# KiCad board Video Timer.kicad_pcb
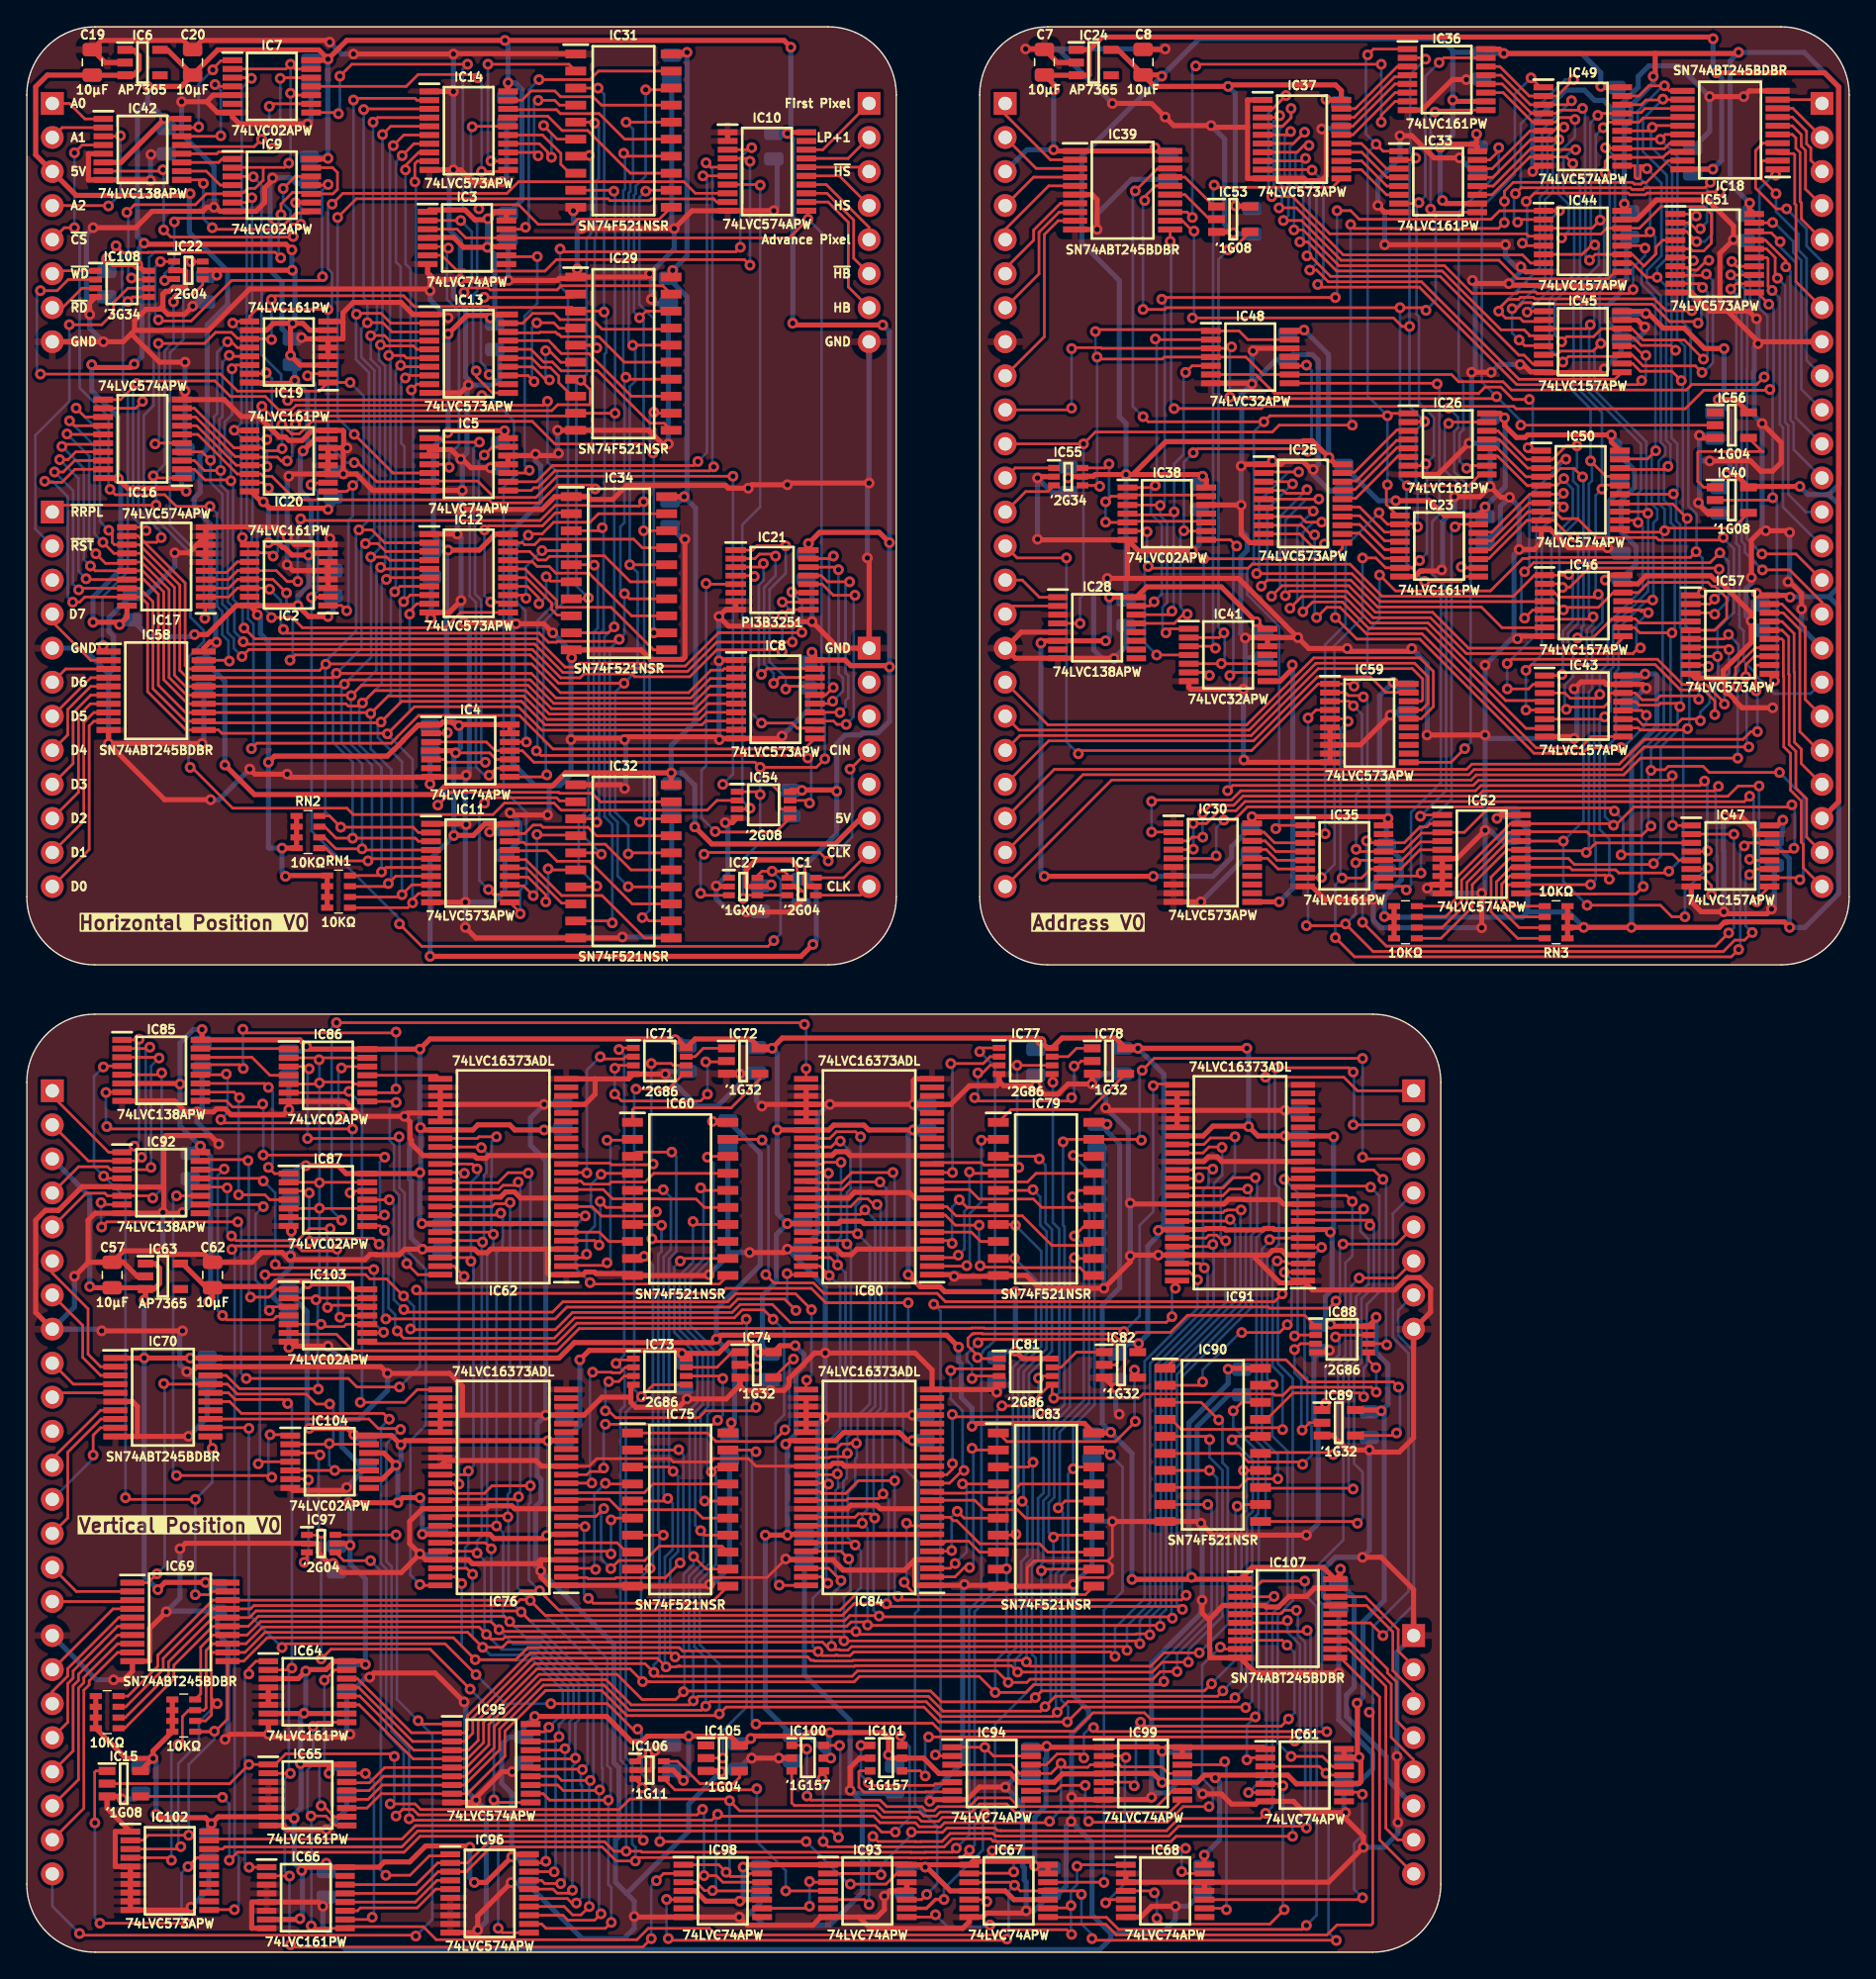
[diagram p0: board, top side]
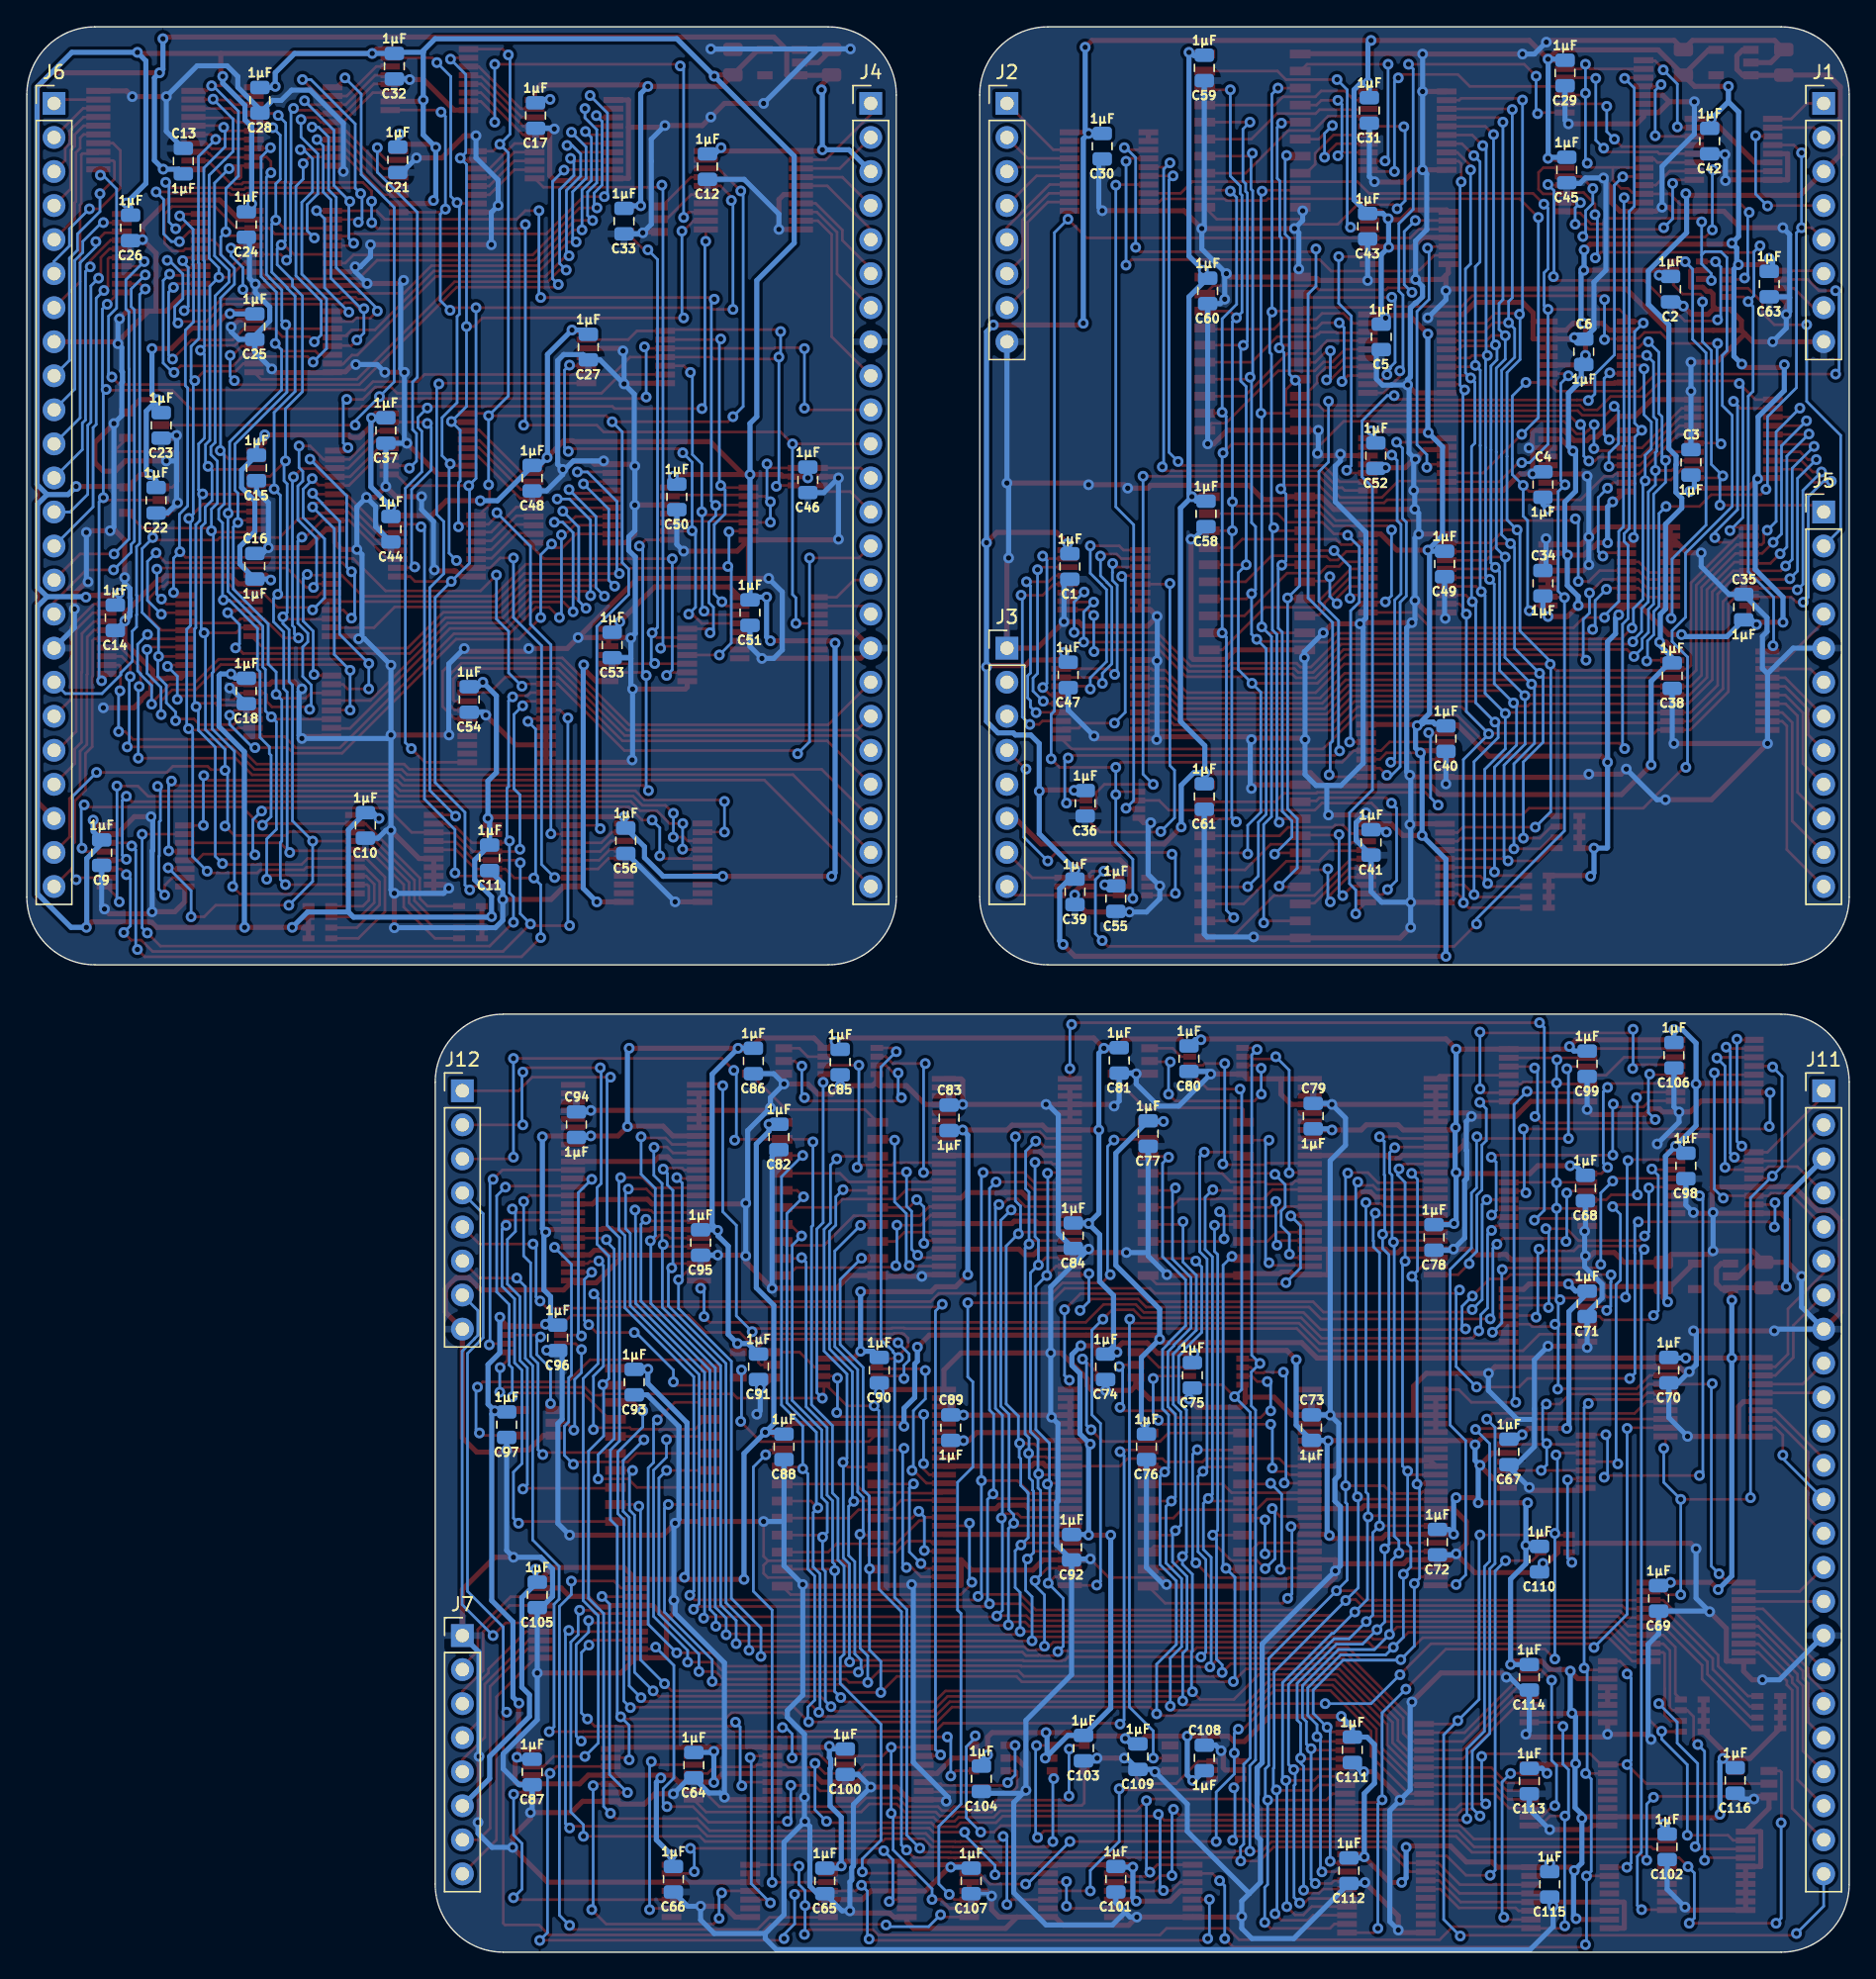
[diagram p1: board, bottom side, seen from below]

Outline 136.02 x 143.64 mm; copper layers: Top, Bottom. Coordinates in mm from the lower left corner of the outline.
Outline path: 0,138.56 arc(1.49,142.15) 5.08,143.64 59.82,143.64 arc(63.41,142.15) 64.9,138.56 64.9,78.74 arc(63.41,75.15) 59.82,73.66 5.08,73.66 arc(1.49,75.15) 0,78.74 0,138.56 ; 0,64.9 arc(1.49,68.49) 5.08,69.98 100.46,69.98 arc(104.05,68.49) 105.54,64.9 105.54,5.08 arc(104.05,1.49) 100.46,0 5.08,0 arc(1.49,1.49) 0,5.08 0,64.9 ; 71.12,138.56 arc(72.61,142.15) 76.2,143.64 130.94,143.64 arc(134.53,142.15) 136.02,138.56 136.02,78.74 arc(134.53,75.15) 130.94,73.66 76.2,73.66 arc(72.61,75.15) 71.12,78.74 71.12,138.56
Stack: Top 0.035mm / dielectric 1.51mm FR4 er 4.5 / Bottom 0.035mm

## Placement (name value [footprint] x y rotation side)
C1  1μF  [C_0805]  58.17 103.39 0 bottom
C2  1μF  [C_0805]  13.34 124.08 0 bottom
C3  1μF  [C_0805]  11.81 111.12 180 bottom
C4  1μF  [C_0805]  22.86 109.47 180 bottom
C5  1μF  [C_0805]  34.92 120.52 0 bottom
C6  1μF  [C_0805]  19.81 119.38 180 bottom
C7  10µF  [C_0805]  75.95 140.98 0 top
C8  10µF  [C_0805]  83.32 140.98 0 top
C9  1μF  [C_0805]  130.43 82.04 0 bottom
C10  1μF  [C_0805]  110.74 84.07 0 bottom
C11  1μF  [C_0805]  101.47 81.66 0 bottom
C12  1μF  [C_0805]  85.22 133.22 0 bottom
C13  1μF  [C_0805]  124.33 133.6 180 bottom
C14  1μF  [C_0805]  129.41 99.57 0 bottom
C15  1μF  [C_0805]  118.87 110.74 0 bottom
C16  1μF  [C_0805]  119 103.38 180 bottom
C17  1μF  [C_0805]  98.04 137.03 0 bottom
C18  1μF  [C_0805]  119.63 94.11 0 bottom
C19  10µF  [C_0805]  4.88 140.97 0 top
C20  10µF  [C_0805]  12.38 140.97 0 top
C21  1μF  [C_0805]  108.33 133.73 0 bottom
C22  1μF  [C_0805]  126.36 108.33 0 bottom
C23  1μF  [C_0805]  125.98 113.92 0 bottom
C24  1μF  [C_0805]  119.63 128.9 0 bottom
C25  1μF  [C_0805]  119 121.28 0 bottom
C26  1μF  [C_0805]  128.27 128.65 0 bottom
C27  1μF  [C_0805]  94.11 119.76 0 bottom
C28  1μF  [C_0805]  118.62 138.18 0 bottom
C29  1μF  [C_0805]  21.21 140.21 0 bottom
C30  1μF  [C_0805]  55.75 134.75 0 bottom
C31  1μF  [C_0805]  35.81 137.41 0 bottom
C32  1μF  [C_0805]  108.59 140.72 0 bottom
C33  1μF  [C_0805]  91.44 129.16 0 bottom
C34  1μF  [C_0805]  22.86 102.11 180 bottom
C35  1μF  [C_0805]  7.87 100.33 180 bottom
C36  1μF  [C_0805]  57.02 85.72 0 bottom
C37  1μF  [C_0805]  109.22 113.54 0 bottom
C38  1μF  [C_0805]  13.21 95.25 0 bottom
C39  1μF  [C_0805]  57.79 79.12 0 bottom
C40  1μF  [C_0805]  30.1 90.55 0 bottom
C41  1μF  [C_0805]  35.69 82.8 0 bottom
C42  1μF  [C_0805]  10.41 135.13 0 bottom
C43  1μF  [C_0805]  35.94 128.78 0 bottom
C44  1μF  [C_0805]  108.84 106.17 0 bottom
C45  1μF  [C_0805]  21.08 132.97 0 bottom
C46  1μF  [C_0805]  77.72 109.85 0 bottom
C47  1μF  [C_0805]  58.29 95.3 0 bottom
C48  1μF  [C_0805]  98.3 109.98 0 bottom
C49  1μF  [C_0805]  30.2 103.58 0 bottom
C50  1μF  [C_0805]  87.5 108.58 0 bottom
C51  1μF  [C_0805]  82.04 99.95 0 bottom
C52  1μF  [C_0805]  35.33 111.66 0 bottom
C53  1μF  [C_0805]  92.33 97.54 0 bottom
C54  1μF  [C_0805]  103 93.47 0 bottom
C55  1μF  [C_0805]  54.74 78.61 0 bottom
C56  1μF  [C_0805]  91.31 82.93 0 bottom
C57  10µF  [C_0805]  6.37 50.5 0 top
C58  1μF  [C_0805]  48.01 107.31 0 bottom
C59  1μF  [C_0805]  48.13 140.59 0 bottom
C60  1μF  [C_0805]  47.88 123.95 0 bottom
C61  1μF  [C_0805]  48.13 86.23 0 bottom
C62  10µF  [C_0805]  13.87 50.5 0 top
C63  1μF  [C_0805]  5.97 124.46 0 bottom
C64  1μF  [C_0805]  86.23 13.97 0 bottom
C65  1μF  [C_0805]  76.45 5.33 0 bottom
C66  1μF  [C_0805]  87.76 5.46 0 bottom
C67  1μF  [C_0805]  25.4 37.34 0 bottom
C68  1μF  [C_0805]  19.69 57.02 0 bottom
C69  1μF  [C_0805]  14.22 26.42 0 bottom
C70  1μF  [C_0805]  13.46 43.43 0 bottom
C71  1μF  [C_0805]  19.56 48.39 0 bottom
C72  1μF  [C_0805]  30.73 30.61 0 bottom
C73  1μF  [C_0805]  40.13 39.12 180 bottom
C74  1μF  [C_0805]  55.5 43.69 0 bottom
C75  1μF  [C_0805]  49.02 43.05 0 bottom
C76  1μF  [C_0805]  52.45 37.72 0 bottom
C77  1μF  [C_0805]  52.32 61.09 0 bottom
C78  1μF  [C_0805]  30.99 53.34 0 bottom
C79  1μF  [C_0805]  40.01 62.36 180 bottom
C80  1μF  [C_0805]  49.28 66.67 0 bottom
C81  1μF  [C_0805]  54.48 66.55 0 bottom
C82  1μF  [C_0805]  79.88 60.83 0 bottom
C83  1μF  [C_0805]  67.18 62.23 180 bottom
C84  1μF  [C_0805]  57.91 53.47 0 bottom
C85  1μF  [C_0805]  75.31 66.42 0 bottom
C86  1μF  [C_0805]  81.79 66.5 0 bottom
C87  1μF  [C_0805]  98.3 13.46 0 bottom
C88  1μF  [C_0805]  79.5 37.72 0 bottom
C89  1μF  [C_0805]  67.06 39.12 180 bottom
C90  1μF  [C_0805]  72.39 43.43 0 bottom
C91  1μF  [C_0805]  81.41 43.69 0 bottom
C92  1μF  [C_0805]  58.04 30.23 0 bottom
C93  1μF  [C_0805]  90.68 42.54 0 bottom
C94  1μF  [C_0805]  95 61.72 180 bottom
C95  1μF  [C_0805]  85.72 52.96 0 bottom
C96  1μF  [C_0805]  96.39 45.85 0 bottom
C97  1μF  [C_0805]  100.2 39.37 0 bottom
C98  1μF  [C_0805]  12.19 58.67 0 bottom
C99  1μF  [C_0805]  19.56 66.29 0 bottom
C100  1μF  [C_0805]  74.93 14.22 0 bottom
C101  1μF  [C_0805]  54.74 5.46 0 bottom
C102  1μF  [C_0805]  13.59 7.87 0 bottom
C103  1μF  [C_0805]  57.15 15.24 0 bottom
C104  1μF  [C_0805]  64.77 12.95 0 bottom
C105  1μF  [C_0805]  97.92 26.67 0 bottom
C106  1μF  [C_0805]  13.08 66.93 0 bottom
C107  1μF  [C_0805]  65.53 5.33 0 bottom
C108  1μF  [C_0805]  48.13 14.48 180 bottom
C109  1μF  [C_0805]  53.09 14.6 0 bottom
C110  1μF  [C_0805]  23.11 29.34 0 bottom
C111  1μF  [C_0805]  37.08 15.11 0 bottom
C112  1μF  [C_0805]  37.34 6.1 0 bottom
C113  1μF  [C_0805]  23.88 12.78 0 bottom
C114  1μF  [C_0805]  23.88 20.52 0 bottom
C115  1μF  [C_0805]  22.35 5.08 0 bottom
C116  1μF  [C_0805]  8.51 12.83 0 bottom
IC1  74LVC2G04GW-Q100H  [SOP65P210X110-6N]  57.83 79.5 0 top
IC2  74LVC161PW,112  [SOP65P640X110-16N]  19.56 102.74 180 top
IC3  74LVC74APW,118  [SOP65P640X110-14N]  32.86 127.89 0 top
IC4  74LVC74APW,118  [SOP65P640X110-14N]  33.11 89.63 0 top
IC5  74LVC74APW,118  [SOP65P640X110-14N]  32.98 111 0 top
IC6  AP7365-33WG-7  [SOT95P285X130-5N]  8.64 140.97 0 top
IC7  74LVC02APW,118  [SOP65P640X110-14N]  18.29 139.19 0 top
IC8  74LVC573APW,118  [SOP65P640X110-20N]  55.88 93.47 0 top
IC9  74LVC02APW,118  [SOP65P640X110-14N]  18.29 131.83 0 top
IC10  74LVC574APW,118  [SOP65P640X110-20N]  55.24 132.84 0 top
IC11  74LVC573APW,118  [SOP65P640X110-20N]  33.11 81.25 0 top
IC12  74LVC573APW,118  [SOP65P640X110-20N]  32.98 102.87 0 top
IC13  74LVC573APW,118  [SOP65P640X110-20N]  32.98 119.25 0 top
IC14  74LVC573APW,118  [SOP65P640X110-20N]  32.98 135.89 0 top
IC15  74LVC1G08GV,125  [SOT95P275X110-5N]  7.24 12.57 0 top
IC16  74LVC574APW,118  [SOP65P640X110-20N]  8.64 112.9 180 top
IC17  74LVC574APW,118  [SOP65P640X110-20N]  10.41 103.38 180 top
IC18  SN74ABT245BDBR  [SOP65P780X200-20N]  127.13 135.93 180 top
IC19  74LVC161PW,112  [SOP65P640X110-16N]  19.56 119.38 180 top
IC20  74LVC161PW,112  [SOP65P640X110-16N]  19.56 111.25 180 top
IC21  PI3B3251QE  [SOP64P599X175-16N]  55.63 102.38 0 top
IC22  74LVC2G04GW-Q100H  [SOP65P210X110-6N]  12.06 125.48 0 top
IC23  74LVC161PW,112  [SOP65P640X110-16N]  105.41 104.9 0 top
IC24  AP7365-33WG-7  [SOT95P285X130-5N]  79.63 140.97 0 top
IC25  74LVC573APW,118  [SOP65P640X110-20N]  95.25 108.08 0 top
IC26  74LVC161PW,112  [SOP65P640X110-16N]  106.04 112.52 0 top
IC27  74LVC1GX04GW,125  [SOP65P210X110-6N]  53.47 79.5 0 top
IC28  74LVC138APW-Q100J  [SOP65P640X110-16N]  79.88 98.81 0 top
IC29  SN74F521NSR  [SOIC127P780X200-20N]  44.53 119.25 0 top
IC30  74LVC573APW,118  [SOP65P640X110-20N]  88.52 81.28 0 top
IC31  SN74F521NSR  [SOIC127P780X200-20N]  44.53 135.89 0 top
IC32  SN74F521NSR  [SOIC127P780X200-20N]  44.53 81.38 0 top
IC33  74LVC161PW,112  [SOP65P640X110-16N]  105.34 132.08 0 top
IC34  SN74F521NSR  [SOIC127P780X200-20N]  44.2 102.87 0 top
IC35  74LVC161PW,112  [SOP65P640X110-16N]  98.34 81.79 0 top
IC36  74LVC161PW,112  [SOP65P640X110-16N]  105.97 139.7 0 top
IC37  74LVC573APW,118  [SOP65P640X110-20N]  95.18 135.25 0 top
IC38  74LVC02APW,118  [SOP65P640X110-14N]  85.09 107.31 0 top
IC39  SN74ABT245BDBR  [SOP65P780X200-20N]  81.79 131.44 0 top
IC40  74LVC1G08GV,125  [SOT95P275X110-5N]  127.25 108.33 0 top
IC41  74LVC32APW,118  [SOP65P640X110-14N]  89.66 96.77 0 top
IC42  74LVC138APW-Q100J  [SOP65P640X110-16N]  8.64 134.49 0 top
IC43  74LVC157APW,118  [SOP65P640X110-16N]  116.2 92.96 0 top
IC44  74LVC157APW,118  [SOP65P640X110-16N]  116.13 127.63 0 top
IC45  74LVC157APW,118  [SOP65P640X110-16N]  116.13 120.14 0 top
IC46  74LVC157APW,118  [SOP65P640X110-16N]  116.2 100.46 0 top
IC47  74LVC157APW,118  [SOP65P640X110-16N]  127.15 81.78 0 top
IC48  74LVC32APW,118  [SOP65P640X110-14N]  91.31 119 0 top
IC49  74LVC574APW,118  [SOP65P640X110-20N]  116.13 136.2 0 top
IC50  74LVC574APW,118  [SOP65P640X110-20N]  115.97 109.09 0 top
IC51  74LVC574APW,118  [SOP65P640X110-20N]  125.98 126.75 0 top
IC52  74LVC574APW,118  [SOP65P640X110-20N]  108.59 81.91 0 top
IC53  74LVC1G08GV,125  [SOT95P275X110-5N]  90.04 129.29 0 top
IC54  74LVC2G08DP-Q100H  [SOP65P400X110-8N]  54.99 85.6 0 top
IC55  74LVC2G34GW,125  [74LVC2G34GW125]  77.72 110.11 0 top
IC56  74LVC1G04GV,125  [SOT95P275X110-5N]  127.25 113.92 0 top
IC57  74LVC574APW,118  [SOP65P640X110-20N]  127.13 98.3 0 top
IC58  SN74ABT245BDBR  [SOP65P780X200-20N]  9.65 94.11 0 top
IC59  74LVC574APW,118  [SOP65P640X110-20N]  100.2 91.69 0 top
IC60  SN74F521NSR  [SOIC127P780X200-20N]  48.77 56.2 0 top
IC61  74LVC74APW,118  [SOP65P640X110-14N]  95.38 13.21 0 top
IC62  74LVC16373ADL,118  [SOP64P1025X280-48N]  35.56 57.85 180 top
IC63  AP7365-33WG-7  [SOT95P285X130-5N]  10.16 50.42 0 top
IC64  74LVC161PW,112  [SOP65P640X110-16N]  20.95 19.43 0 top
IC65  74LVC161PW,112  [SOP65P640X110-16N]  20.95 11.73 0 top
IC66  74LVC161PW,112  [SOP65P640X110-16N]  20.83 4.06 0 top
IC67  74LVC74APW,118  [SOP65P640X110-14N]  73.28 4.57 0 top
IC68  74LVC74APW,118  [SOP65P640X110-14N]  84.96 4.57 0 top
IC69  SN74ABT245BDBR  [SOP65P780X200-20N]  11.43 24.64 0 top
IC70  SN74ABT245BDBR  [SOP65P780X200-20N]  10.16 41.4 0 top
IC71  74LVC2G86DP,125  [SOP65P400X110-8N]  47.24 66.48 0 top
IC72  74LVC1G32GV,125  [SOT95P275X110-5N]  53.47 66.48 0 top
IC73  74LVC2G86DP,125  [SOP65P400X110-8N]  47.24 43.31 0 top
IC74  74LVC1G32GV,125  [SOT95P275X110-5N]  54.48 43.81 0 top
IC75  SN74F521NSR  [SOIC127P780X200-20N]  48.77 33.02 0 top
IC76  74LVC16373ADL,118  [SOP64P1025X280-48N]  35.56 34.67 180 top
IC77  74LVC2G86DP,125  [SOP65P400X110-8N]  74.55 66.48 0 top
IC78  74LVC1G32GV,125  [SOT95P275X110-5N]  80.77 66.48 0 top
IC79  SN74F521NSR  [SOIC127P780X200-20N]  76.07 56.2 0 top
IC80  74LVC16373ADL,118  [SOP64P1025X280-48N]  62.86 57.85 180 top
IC81  74LVC2G86DP,125  [SOP65P400X110-8N]  74.55 43.31 0 top
IC82  74LVC1G32GV,125  [SOT95P275X110-5N]  81.66 43.81 0 top
IC83  SN74F521NSR  [SOIC127P780X200-20N]  76.07 33.02 0 top
IC84  74LVC16373ADL,118  [SOP64P1025X280-48N]  62.87 34.67 180 top
IC85  74LVC138APW-Q100J  [SOP65P640X110-16N]  10.03 65.79 0 top
IC86  74LVC02APW,118  [SOP65P640X110-14N]  22.48 65.42 0 top
IC87  74LVC02APW,118  [SOP65P640X110-14N]  22.48 56.13 0 top
IC88  74LVC2G86DP,125  [SOP65P400X110-8N]  98.17 45.72 0 top
IC89  74LVC1G32GV,125  [SOT95P275X110-5N]  97.92 39.5 0 top
IC90  SN74F521NSR  [SOIC127P780X200-20N]  88.52 37.85 0 top
IC91  74LVC16373ADL,118  [SOP64P1025X280-48N]  90.55 57.4 180 top
IC92  74LVC138APW-Q100J  [SOP65P640X110-16N]  10.03 57.4 0 top
IC93  74LVC74APW,118  [SOP65P640X110-14N]  62.74 4.57 0 top
IC94  74LVC74APW,118  [SOP65P640X110-14N]  72.01 13.33 0 top
IC95  74LVC574APW,118  [SOP65P640X110-20N]  34.67 14.1 0 top
IC96  74LVC574APW,118  [SOP65P640X110-20N]  34.55 4.38 0 top
IC97  74LVC2G04GW-Q100H  [SOP65P210X110-6N]  21.97 30.48 0 top
IC98  74LVC74APW,118  [SOP65P640X110-14N]  51.94 4.57 0 top
IC99  74LVC74APW,118  [SOP65P640X110-14N]  83.31 13.33 0 top
IC100  74LVC1G157GV,125  [74LVC1G157GV125]  58.29 14.48 0 top
IC101  74LVC1G157GV,125  [74LVC1G157GV125]  64.13 14.48 0 top
IC102  74LVC573APW,118  [SOP65P640X110-20N]  10.67 6.07 0 top
IC103  74LVC02APW,118  [SOP65P640X110-14N]  22.48 47.5 0 top
IC104  74LVC02APW,118  [SOP65P640X110-14N]  22.61 36.59 0 top
IC105  74LVC1G04GV,125  [SOT95P275X110-5N]  51.94 14.48 0 top
IC106  74LVC1G11GW-Q100H  [SOP65P210X110-6N]  46.48 13.59 0 top
IC107  SN74ABT245BDBR  [SOP65P780X200-20N]  94.11 24.89 0 top
IC108  74LVC3G34DP,125  [SOP65P400X110-8N]  7.11 124.46 0 top
J1  Conn_01x08_Pin  [PinHeader_1x08_P2.54mm_Vertical]  1.9 137.92 180 bottom
J2  Conn_01x08_Pin  [PinHeader_1x08_P2.54mm_Vertical]  62.87 137.92 180 bottom
J3  Conn_01x08_Pin  [PinHeader_1x08_P2.54mm_Vertical]  62.87 97.28 180 bottom
J4  Conn_01x24_Pin  [PinHeader_1x24_P2.54mm_Vertical]  73.03 137.92 180 bottom
J5  Conn_01x12_Pin  [PinHeader_1x12_P2.54mm_Vertical]  1.9 107.44 180 bottom
J6  Conn_01x24_Pin  [PinHeader_1x24_P2.54mm_Vertical]  133.98 137.92 180 bottom
J7  Conn_01x08_Pin  [PinHeader_1x08_P2.54mm_Vertical]  103.5 23.62 180 bottom
J11  Conn_01x24_Pin  [PinHeader_1x24_P2.54mm_Vertical]  1.9 64.26 180 bottom
J12  Conn_01x08_Pin  [PinHeader_1x08_P2.54mm_Vertical]  103.5 64.26 180 bottom
RN1  CAY16-103J4LF  [CAY16-J4]  23.24 79.12 0 top
RN2  CAY16-103J4LF  [CAY16-J4]  20.95 83.57 0 top
RN3  CAY16-103J4LF  [CAY16-J4]  114.17 76.83 180 top
RN4  CAY16-103J4LF  [CAY16-J4]  102.87 76.83 0 top
RN5  CAY16-103J4LF  [CAY16-J4]  5.97 17.91 0 top
RN6  CAY16-103J4LF  [CAY16-J4]  11.68 17.65 0 top

## Library data of the parts
C1-C116 = -: Garbage: Unpolarized capacitor, small symbol
IC1 IC22 IC97 = -: Description: 2-input inverter; Height: 1.1; Manufacturer_Name: Nexperia; Mouser Part Number: 771-74LVC2G04GWQ100H; Mouser Price/Stock: https://www.mouser.co.uk/ProductDetail/Nexperia/74LVC2G04GW-Q100H?qs=Yna0arPQ0CQTXbBDVSrZqQ%3D%3D; Silkscreen: '2G04; Garbage: 74LVC2G04-Q100 - Dual inverter@en-us
IC2 IC19 IC20 IC23 IC26 IC33 IC35 IC36 IC64-IC66 = -: Description: 4-bit up counter; Height: 1.1; Manufacturer_Name: Nexperia; Mouser Part Number: 771-LVC161PW112; Mouser Price/Stock: https://www.mouser.co.uk/ProductDetail/Nexperia/74LVC161PW112?qs=me8TqzrmIYXBQ64YL7POQw%3D%3D; Silkscreen: 74LVC161PW; Garbage: 74LVC161 - Presettable synchronous 4-bit binary counter; asynchronous reset@en-us
IC3-IC5 IC61 IC67 IC68 IC93 IC94 IC98 IC99 = -: Description: D-type flip-flop; Height: 1.1; Manufacturer_Name: Nexperia; Mouser Part Number: 771-74LVC74APW-T; Mouser Price/Stock: https://www.mouser.co.uk/ProductDetail/Nexperia/74LVC74APW118?qs=me8TqzrmIYVtXwVfet0lzw%3D%3D; Silkscreen: 74LVC74APW; Garbage: 74LVC74A - Dual D-type flip-flop with set and reset; positive-edge trigger@en-us
IC6 IC24 IC63 = -: Description: 3.3V LDO voltage regulator; Arrow Price/Stock: https://www.arrow.com/en/products/ap7365-33wg-7/diodes-incorporated?region=nac; Height: 1.3; Manufacturer_Name: Diodes Inc.; Mouser Part Number: 621-AP7365-33WG-7; Mouser Price/Stock: https://www.mouser.co.uk/ProductDetail/Diodes-Incorporated/AP7365-33WG-7?qs=abZ1nkZpTuOZFvxvoFPL0w%3D%3D; Silkscreen: AP7365; Garbage: DiodesZetex AP7365-33WG-7, LDO Voltage Regulator, 600mA, 3.3 V +/-2%, 2  6 Vin, 5-Pin SOT-25
IC7 IC9 IC38 IC86 IC87 IC103 IC104 = -: Description: 2-Input NOR gate; Height: 1.1; Manufacturer_Name: Nexperia; Mouser Part Number: 771-74LVC02APW-T; Mouser Price/Stock: https://www.mouser.co.uk/ProductDetail/Nexperia/74LVC02APW118?qs=me8TqzrmIYX6VnwIC2vA2w%3D%3D; Silkscreen: 74LVC02APW; Garbage: Nexperia 74LVC02APW,118, Quad 2-Input NOR Logic Gate, 14-Pin TSSOP
IC8 IC11-IC14 IC25 IC30 IC37 IC102 = -: Description: 8-bit D-type latch; Height: 1.1; Manufacturer_Name: Nexperia; Mouser Part Number: 771-74LVC573APW-T; Mouser Price/Stock: https://www.mouser.co.uk/ProductDetail/Nexperia/74LVC573APW118/?qs=me8TqzrmIYU4mlL%252B5pgpig%3D%3D; Silkscreen: 74LVC573APW; Garbage: 74LVC573A - Octal D-type transparent latch with 5 V tolerant inputs/outputs; 3-state@en-us
IC10 IC16 IC17 IC49 IC50 IC52 IC95 IC96 = -: Description: 8-bit D-type flip-flop; Height: 1.1; Manufacturer_Name: Nexperia; Mouser Part Number: 771-74LVC574APW-T; Mouser Price/Stock: https://www.mouser.co.uk/ProductDetail/Nexperia/74LVC574APW118?qs=me8TqzrmIYXFXrN3QSTUuw%3D%3D; Silkscreen: 74LVC574APW; Garbage: 74LVC574A - Octal D-type flip-flop with 5 V tolerant inputs/outputs; positive edge-trigger (3-state)@en-us
IC15 IC40 IC53 = -: Description: 2-input AND gate; Arrow Price/Stock: https://www.arrow.com/en/products/74lvc1g08gv125/nexperia; Height: 1.1; Manufacturer_Name: Nexperia; Mouser Part Number: 771-74LVC1G08GV; Mouser Price/Stock: https://www.mouser.co.uk/ProductDetail/Nexperia/74LVC1G08GV125?qs=me8TqzrmIYXEnurJEPZc7A%3D%3D; Silkscreen: '1G08; Garbage: NEXPERIA - 74LVC1G08GV,125 - LOGIC, AND GATE, DUAL I/P, SC-74A-5
IC18 IC39 IC58 IC69 IC70 IC107 = -: Description: 8-bit line driver; Arrow Price/Stock: https://www.arrow.com/en/products/sn74abt245bdbr/texas-instruments; Height: 2; Manufacturer_Name: Texas Instruments; Mouser Part Number: 595-SN74ABT245BDBR; Mouser Price/Stock: https://www.mouser.co.uk/ProductDetail/Texas-Instruments/SN74ABT245BDBR?qs=5nGYs9Do7G0kvriH65mtcg%3D%3D; Garbage: Texas Instruments SN74ABT245BDBR, Bus Transceiver, 8-Bit Non-Inverting TTL, 5V, 20-Pin SSOP
IC21 = -: Description: 8-bit multiplexer; Height: 1.75; Manufacturer_Name: Diodes Inc.; Mouser Part Number: 729-PI3B3251QE; Mouser Price/Stock: https://www.mouser.com/Search/Refine.aspx?Keyword=729-PI3B3251QE; Silkscreen: PI3B3251; Garbage: Encoders, Decoders, Multiplexers & Demultiplexers 3.3V 8:1 Demux Mux Bus Switch
IC27 = -: Description: inverter and buffer; Arrow Price/Stock: https://www.arrow.com/en/products/74lvc1gx04gw125/nexperia; Height: 1.1; Manufacturer_Name: Nexperia; Mouser Part Number: 771-74LVC1GX04GW-G; Mouser Price/Stock: https://www.mouser.co.uk/ProductDetail/Nexperia/74LVC1GX04GW125?qs=me8TqzrmIYXdz6qx7bR6zQ%3D%3D; Silkscreen: '1GX04; Garbage: NEXPERIA - 74LVC1GX04GW,125 - LOGIC, CRYSTAL OSCILLATOR DRIVER, SC88-6